# Altium PCB edison_gateway_v3.PcbDoc (part 1 of 3) (continued)
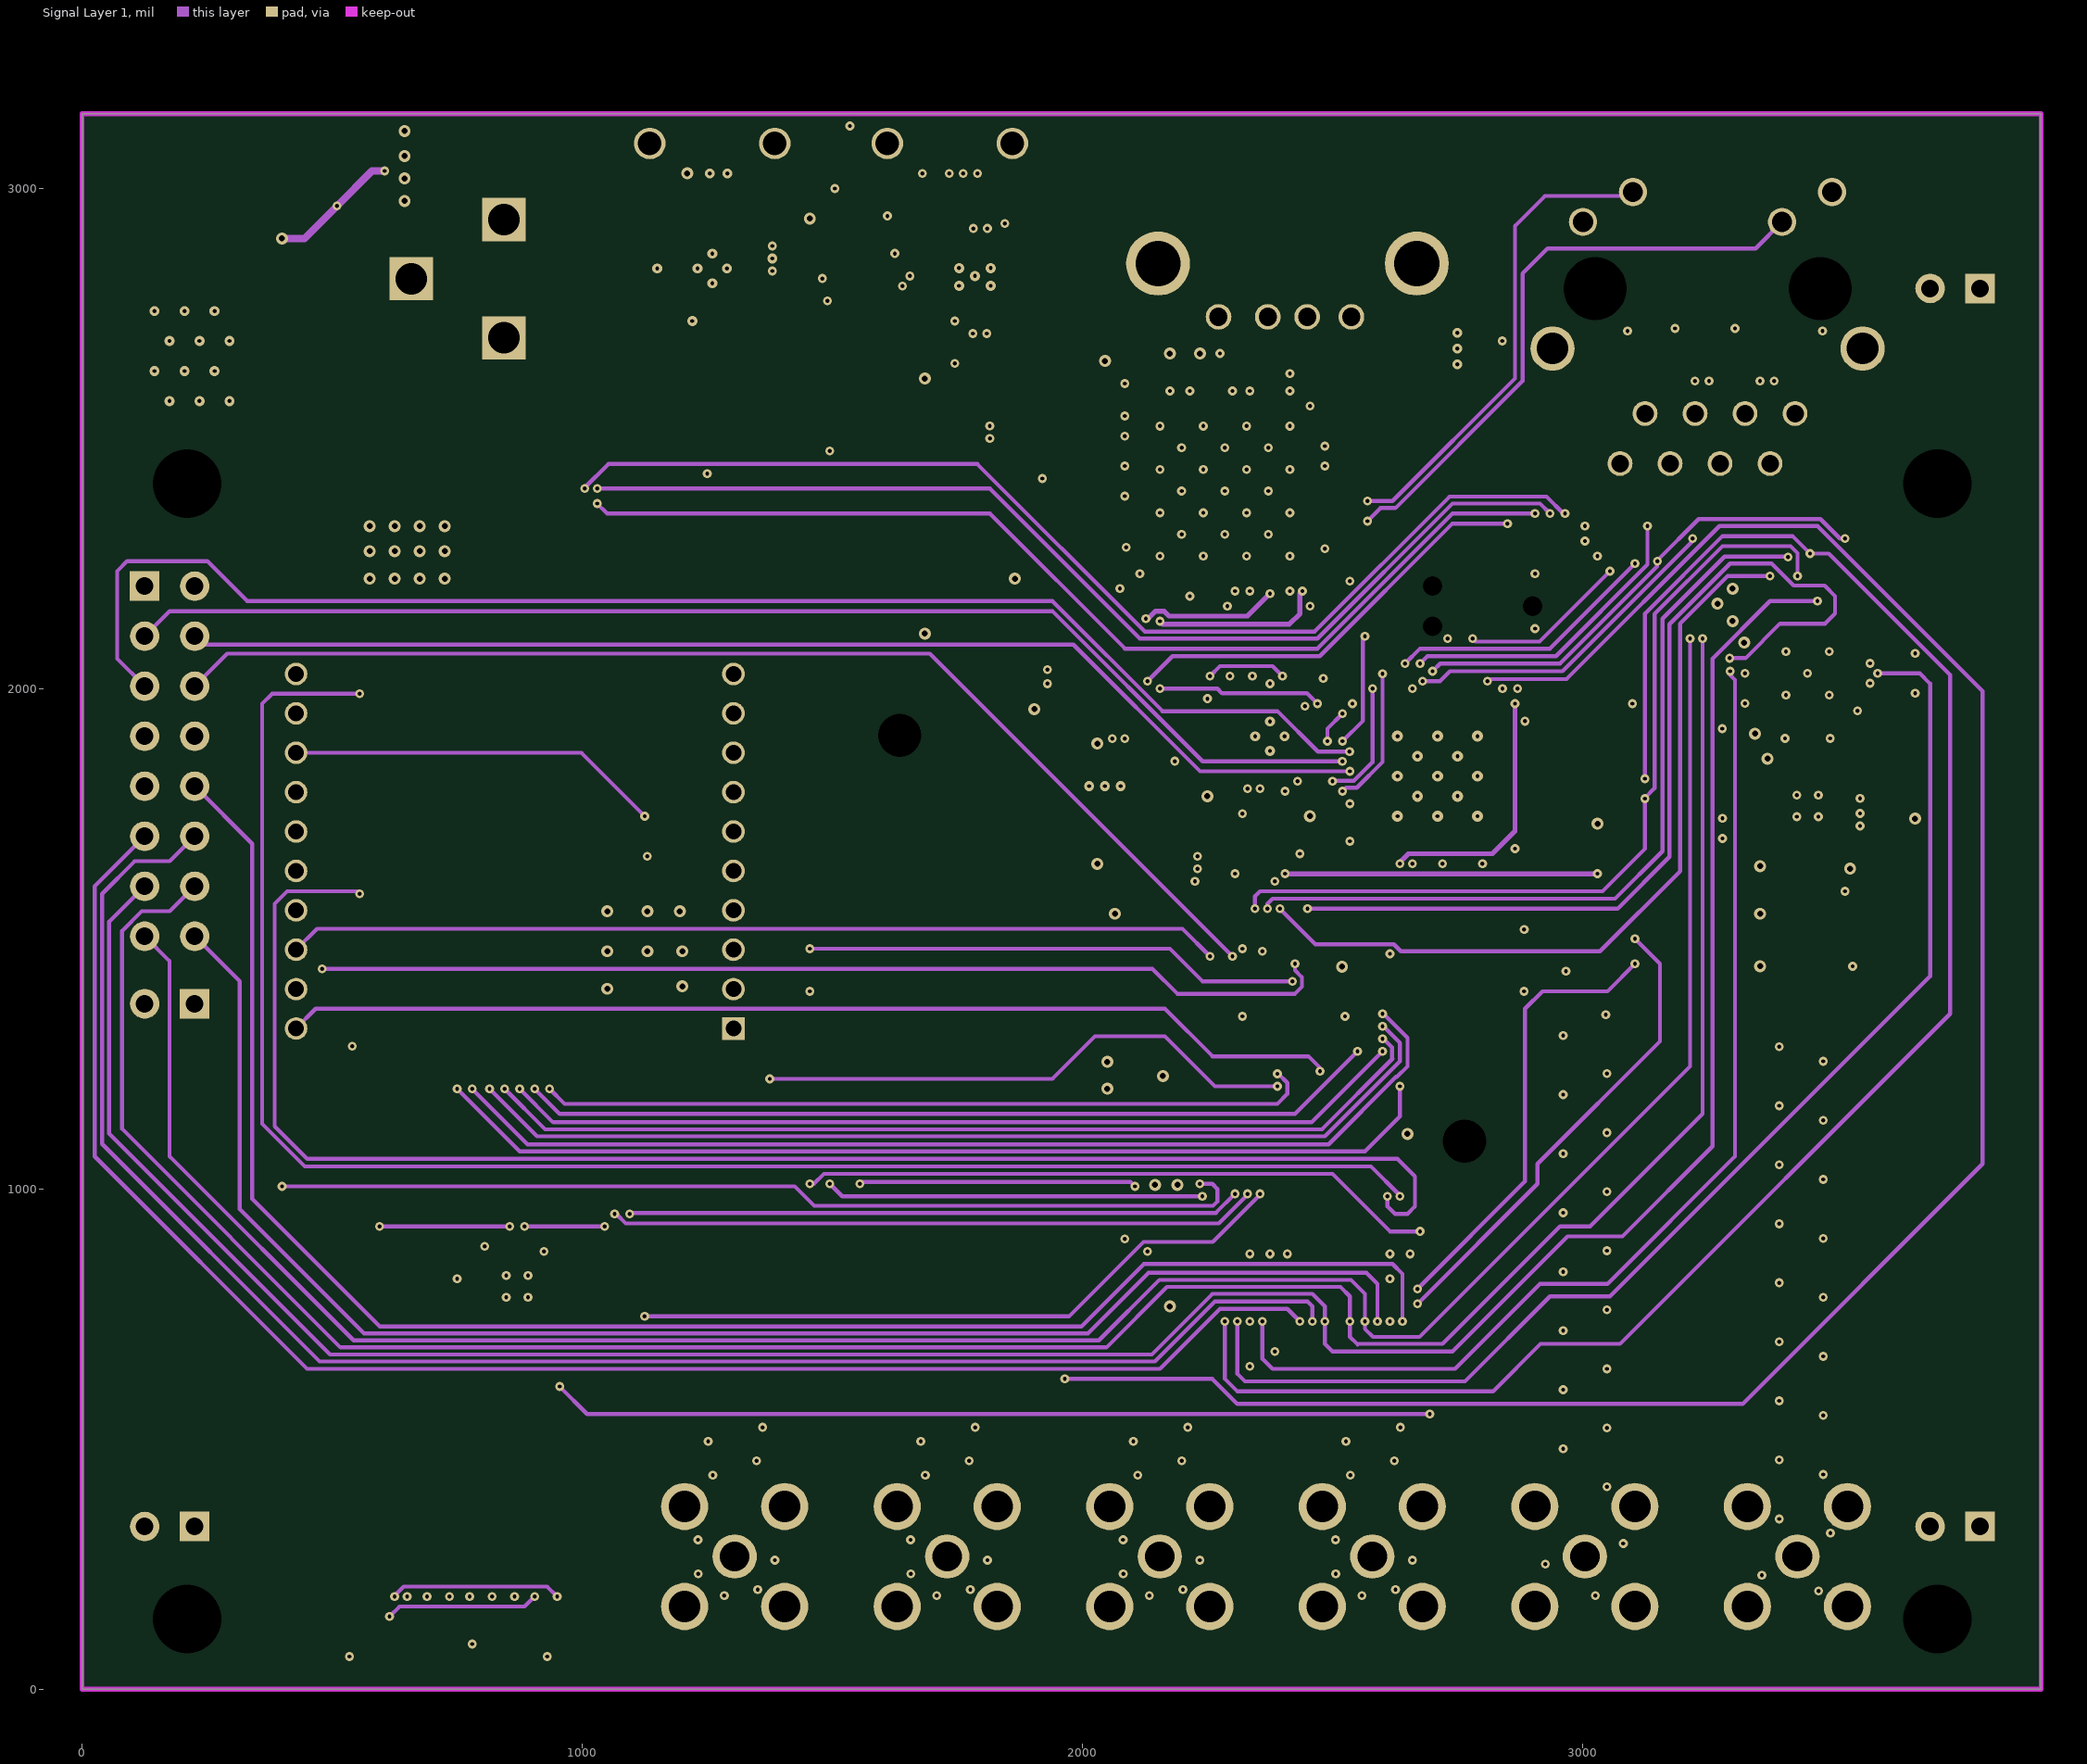
[diagram p3: Signal Layer 1]
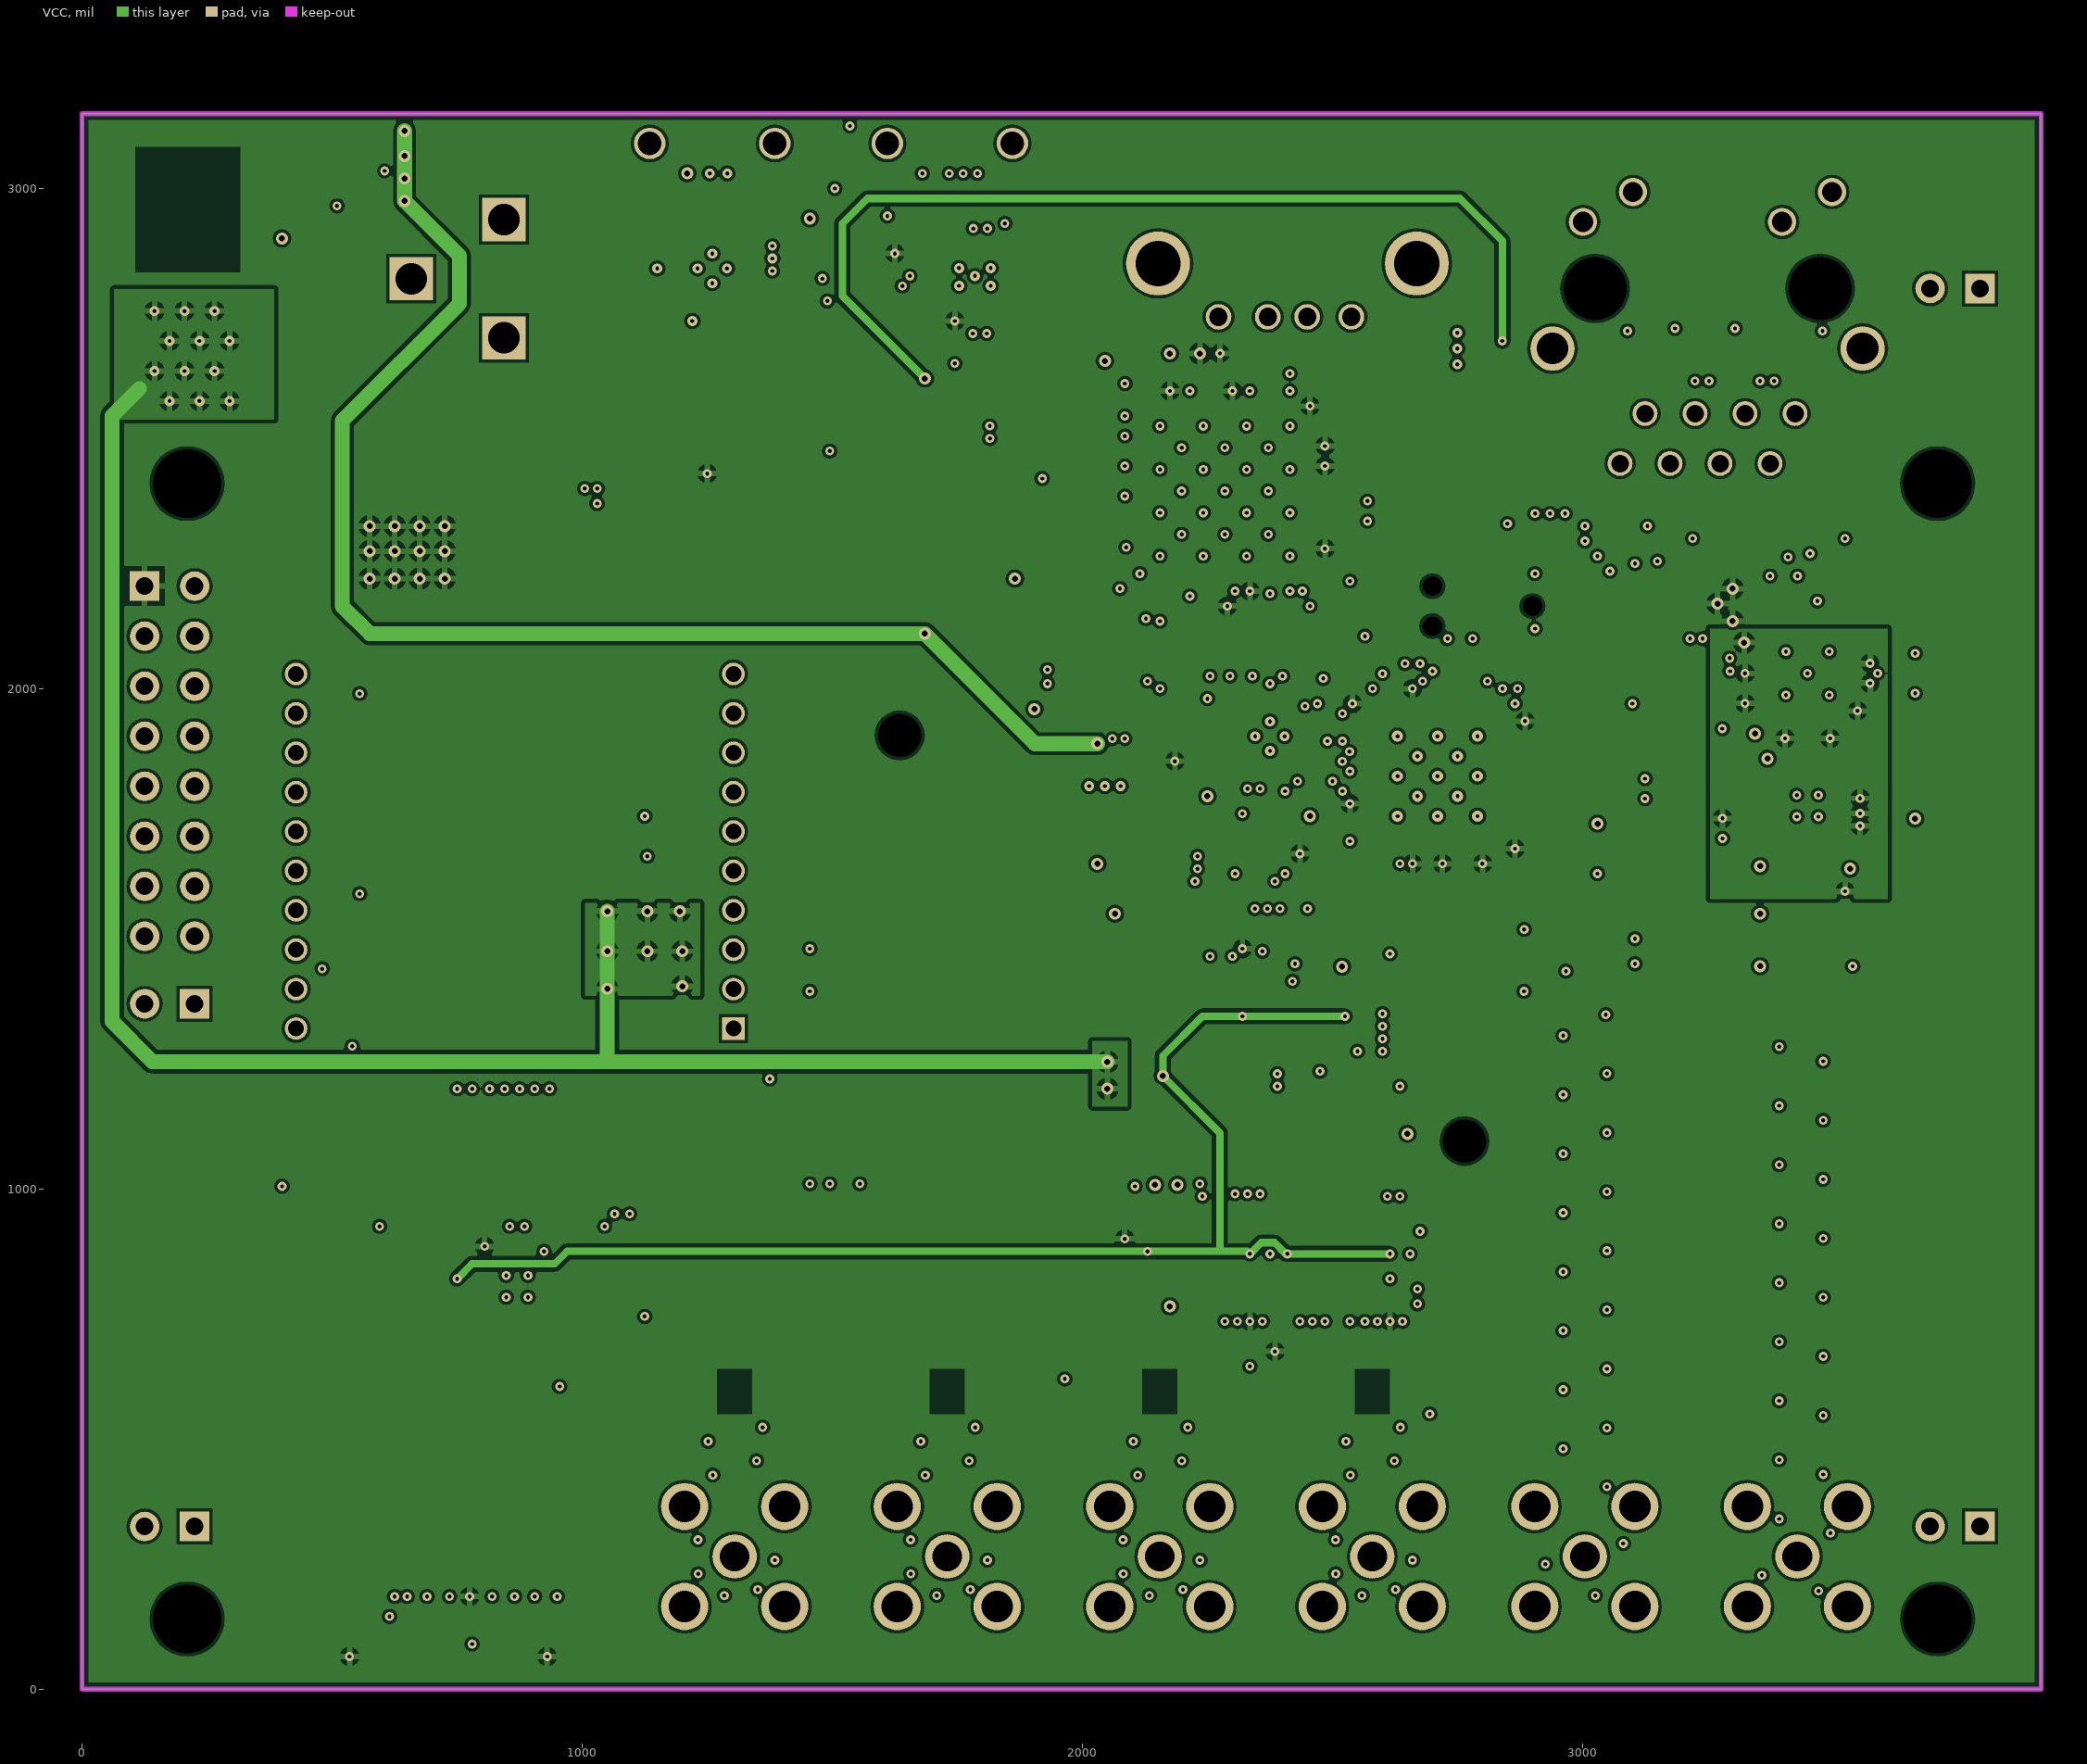
[diagram p4: VCC]
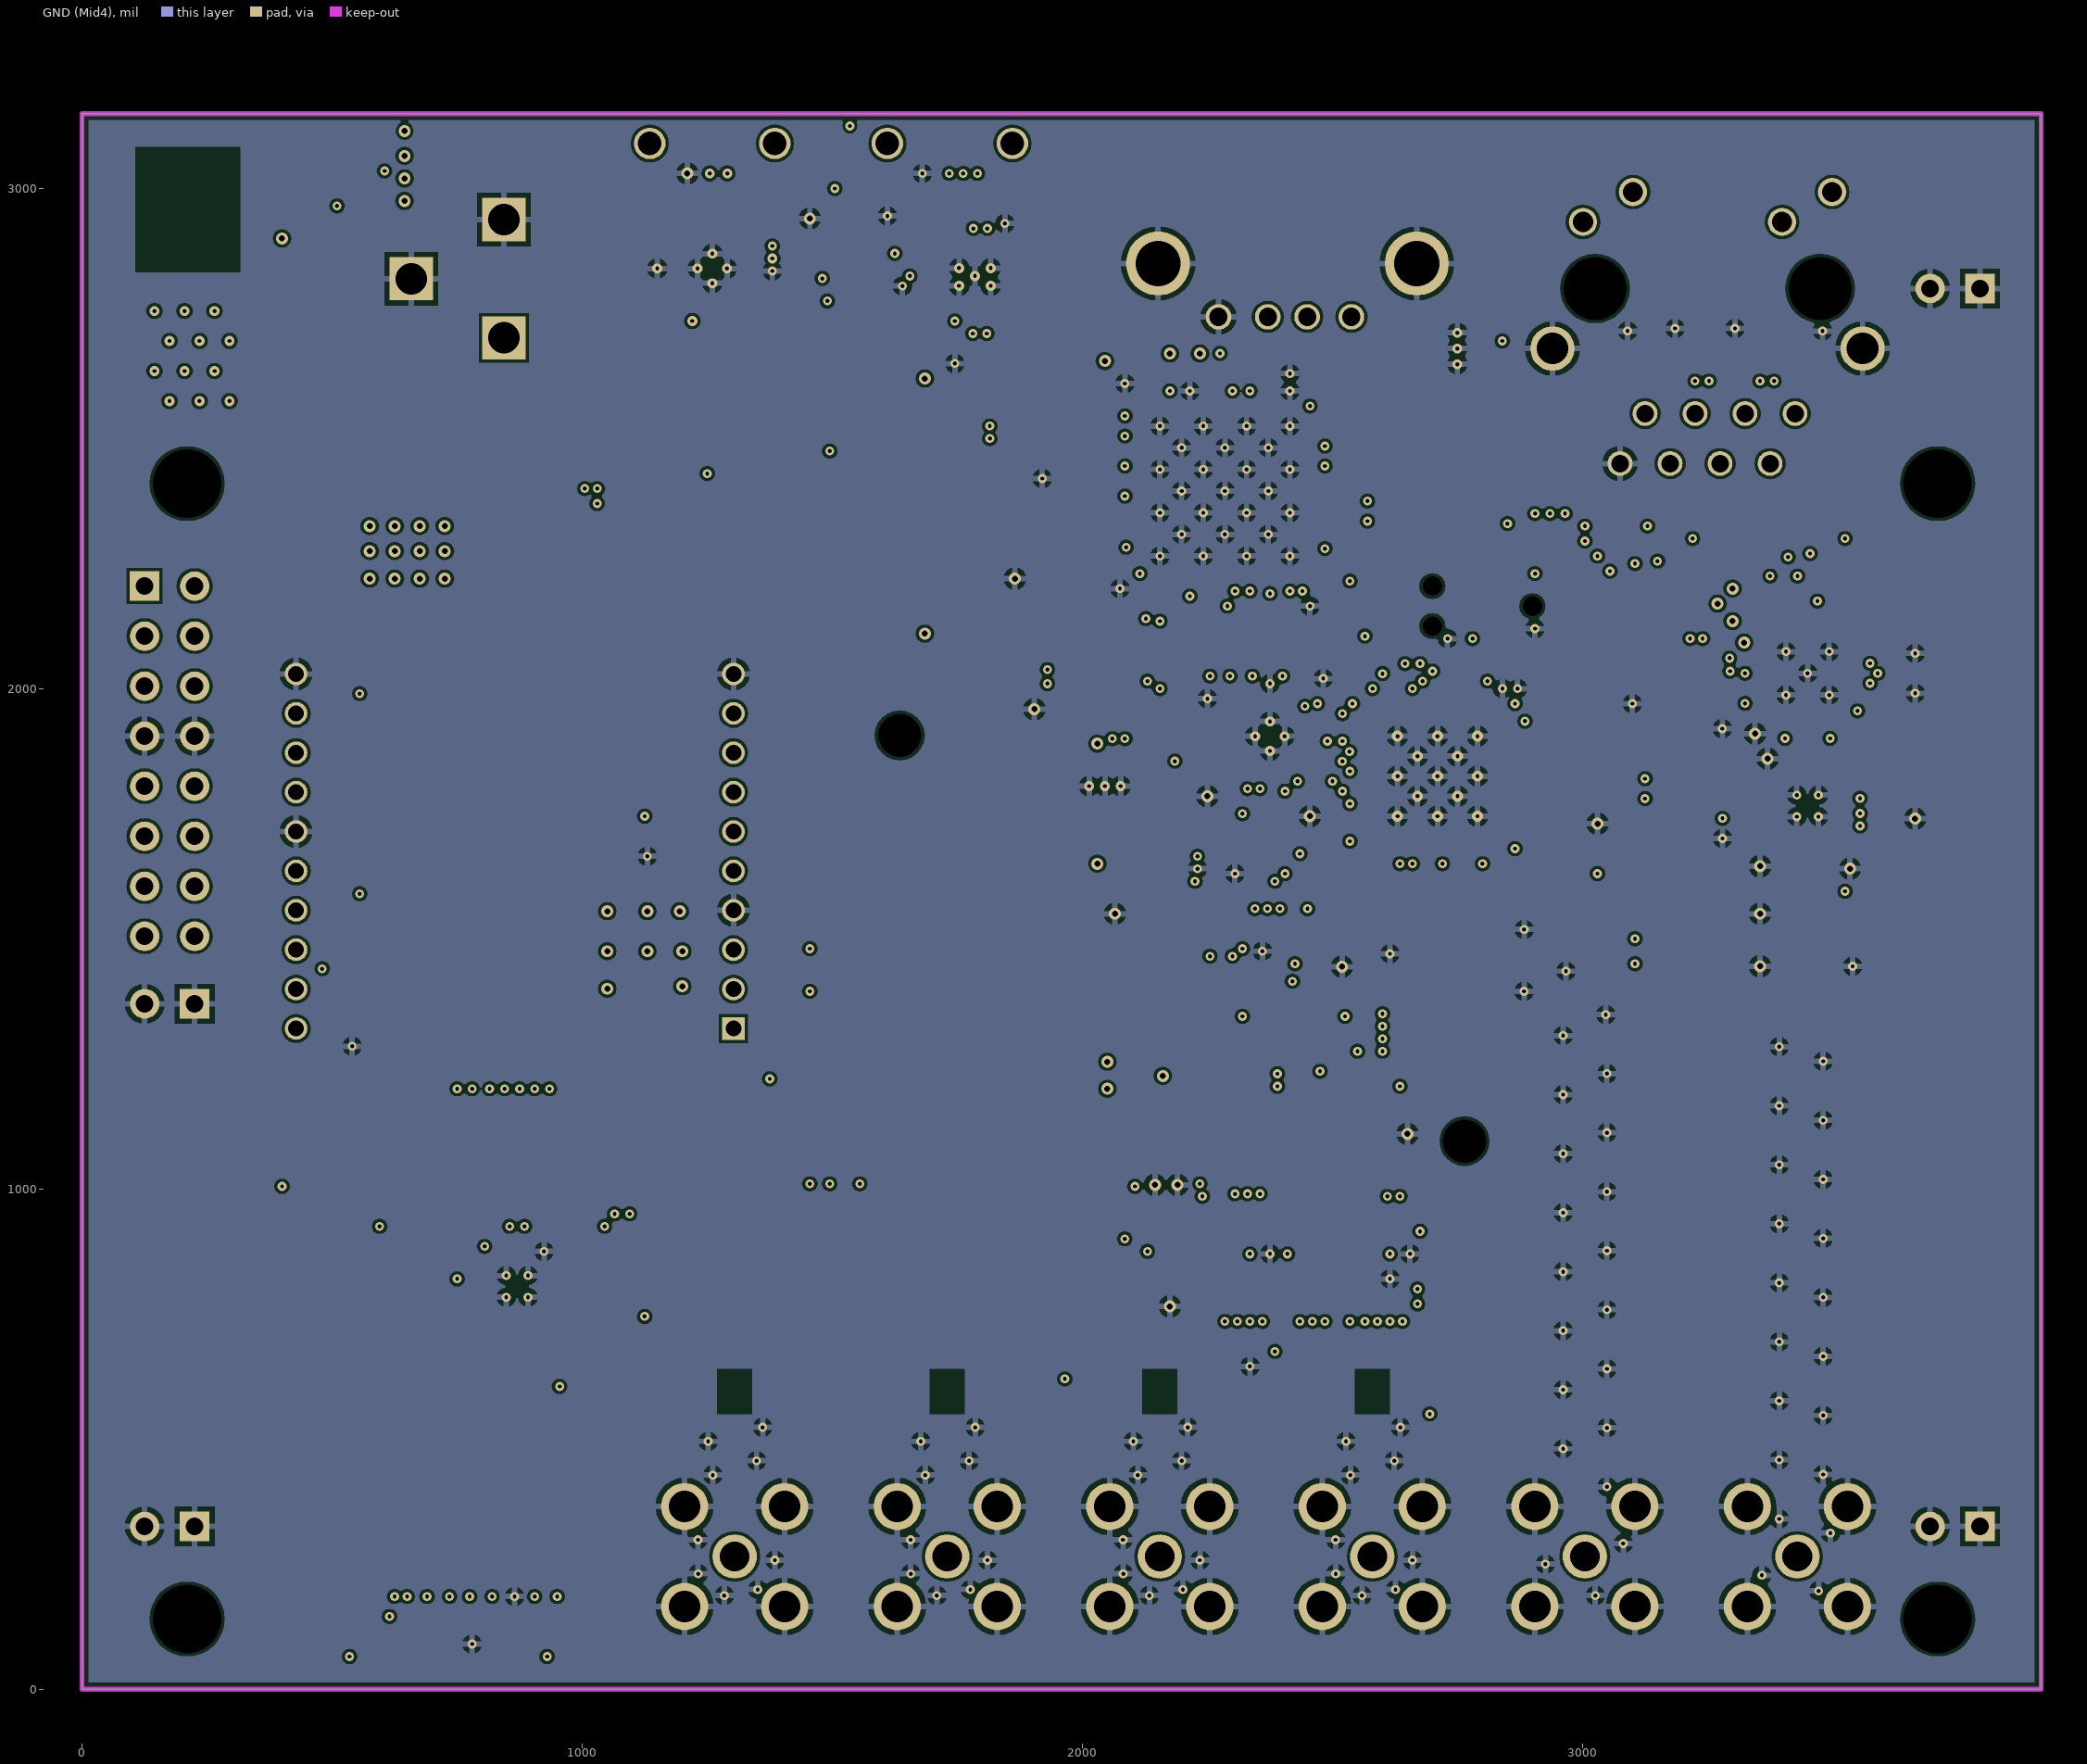
[diagram p5: GND (Mid4)]

## Layer stack, top to bottom
Top Solder: solder mask 0.4, Solder Resist, Dk 3.5
Top Layer: signal copper 1.4
Dielectric 1: core 10, FR-4, Dk 4.2
GND: signal copper 1.417
Dielectric 5: prepreg 5, Dk 4.2
Signal Layer 1: signal copper 1.417
Dielectric 3: prepreg 5, Dk 4.2
VCC: signal copper 1.417
Dielectric 2: core 10, Dk 4.2
GND (Mid4): signal copper 1.417
Dielectric 4: core 10, Dk 4.2
Bottom Layer: signal copper 1.4
Bottom Solder: solder mask 0.4, Solder Resist, Dk 3.5

## Board outline
0,0 0,3149.61 3917.32,3149.61 3917.32,0

## Design rules (kind name [scope] priority, off if disabled: settings)
Clearance "non plated holes" [InPadClass('NPHOLES')] p1: gap=10 // Sunstone Circuits Minimum Clearance Rule (MLB~4&6 Layer Designs)
Clearance "Clearance~Sunstone Circuits" [All] p2: gap=6 except(8: Track-Poly Poly-Poly) // Sunstone Circuits Minimum Clearance Rule (MLB~4&6 Layer Designs)
DiffPairsRouting [All] p1: maxlimit=10 minlimit=10 mostfreqgap=10 toplayer_minwidth=6 toplayer_maxwidth=15 toplayer_prefwidth=15 midlayer1_minwidth=6 midlayer1_maxwidth=15 midlayer1_prefwidth=15 midlayer2_minwidth=6 midlayer2_maxwidth=15 midlayer2_prefwidth=15 midlayer3_minwidth=15 midlayer3_maxwidth=15 midlayer3_prefwidth=15 midlayer4_minwidth=15 midlayer4_maxwidth=15 midlayer4_prefwidth=15 bottomlayer_minwidth=6 bottomlayer_maxwidth=15 bottomlayer_prefwidth=15 maxuncoupledlength=500
Height [All] p1 off: minheight=0 maxheight=1000 prefheight=500
HoleSize "HoleSize~Sunstone Circuits" [All] p1: absolutevalues=TRUE maxlimit=251 minlimit=8 maxpercent=80.000 minpercent=20.000 // Sunstone Circuits Hole Size Rule (MLB~4&6 Layer Designs)
HoleSize Testpoint [All] p2: absolutevalues=TRUE maxlimit=100 minlimit=1 maxpercent=80.000 minpercent=20.000
HoleSize TestPointUsage [All] p3: absolutevalues=TRUE maxlimit=100 minlimit=1 maxpercent=80.000 minpercent=20.000
MinimumAnnularRing "MinimumAnnularRing~Sunstone Circuits" [All] p1 off: minimumring=5 // Sunstone Circuits Minimum Annular Ring (MLB~4&6 Layer Designs)
MinimumSolderMaskSliver [All] p1 off: minsoldermaskwidth=10
PlaneClearance "PlaneClearance~Sunstone Circuits" [All] p1: clearance=12 // Sunstone Circuits Power Plane Clearance Rule (MLB~4&6 Layer Designs)
PlaneConnect "PlaneConnect~Sunstone Circuits" [All] p1: planeconnectstyle=Relief reliefexpansion=10 reliefentries=4 reliefconductorwidth=12 reliefairgap=10 // Sunstone Circuits Power Plane Connect Rule (MLB~4&6 Layer Designs)
PolygonConnect "PolygonConnect~Sunstone Circuits" [All] p1: connectstyle=Relief reliefconductorwidth=12 reliefentries=4 polygonreliefangle="90 Angle" airgapwidth=10 // Sunstone Circuits Polygon Connect Style (MLB~4&6 Layer Designs)
RoomDefinition U_antennas [InComponentClass('U_antennas')] p1: confinementstyle=ConfineIn formatcopy=TRUE lockcomponents=FALSE outline 1144.76,-367.05 1144.76,425.24 1213.5,425.24 1213.5,661.56 2671.5,661.56 2671.5,425.24 2740.24,425.24 2740.24,-367.05
RoomDefinition U_usb_uart [InComponentClass('U_usb_uart')] p2 off: confinementstyle=ConfineIn formatcopy=TRUE lockcomponents=FALSE outline 1070.65,2935.77 1070.65,3213.42 1449.98,3213.42 1449.98,2914.61 1491.57,2914.61 1491.57,2845.39 1472.8,2845.39 1472.8,2746.3 1375.63,2746.3 1375.63,2724.68 1127.28,2724.68 1127.28,2935.77
RoomDefinition U_usb_host_slave [InComponentClass('U_usb_host_slave')] p3 off: confinementstyle=ConfineIn formatcopy=TRUE lockcomponents=FALSE outline 1545.65,2935.77 1545.65,3213.42 2073.01,3213.42 2073.01,3266.04 2747.62,3266.04 2747.62,2795.12 2788.59,2795.12 2788.59,2787.48 2829.02,2787.48 2829.02,2721.26 2839.92,2721.26 2839.92,2608.74 2159.02,2608.74 2159.02,1652.52 2114.92,1652.52 2114.92,1623.74 1993.07,1623.74 1993.07,1623.35 1817.56,1623.35 1817.56,1683.74 1715.71,1683.74 1715.71,2628.18 1563.46,2628.18 1563.46,2935.77
RoomDefinition U_ethernet [InComponentClass('U_ethernet')] p4 off: confinementstyle=ConfineIn formatcopy=TRUE lockcomponents=FALSE outline 1886.61,2067.52 1886.61,2152.48 1895.23,2152.48 1895.23,2303.87 2026.61,2303.87 2026.61,2582.48 2073.54,2582.48 2073.54,2606.77 2246.61,2606.77 2246.61,2677.48 2882.98,2677.48 2882.98,3239.8 3617.65,3239.8 3617.65,2359.8 2577.82,2359.8 2577.82,2226.3 2497.09,2226.3 2497.09,2164.53 2457.8,2164.53 2457.8,2136.3 2044.02,2136.3 2044.02,2067.52
RoomDefinition U_edison_gpio [InComponentClass('U_edison_gpio')] p5 off: confinementstyle=ConfineIn formatcopy=TRUE lockcomponents=FALSE outline 62.82,1442.5 62.82,2267.5 287.82,2267.5 287.82,1573.54 2561.06,1573.54 2561.06,1437.48 2629.02,1437.48 2629.02,968.54 2690.83,968.54 2690.83,642.72 2691.5,642.72 2691.5,187.48 2744.02,187.48 2744.02,102.52 2691.5,102.52 2691.5,-32.38 1082.72,-32.38 1082.72,-160.36 332.91,-160.36 332.91,51.3 317.83,51.3 317.83,1442.5
RoomDefinition U_cellular_modem [InComponentClass('U_cellular_modem')] p6 off: confinementstyle=ConfineIn formatcopy=TRUE lockcomponents=FALSE outline 279.45,980.87 279.45,2349.45 1162.82,2349.45 1162.82,2458.7 1252.8,2458.7 1252.8,2349.45 1451.18,2349.45 1451.18,1741.26 1474.92,1741.26 1474.92,1628.74 1457.8,1628.74 1457.8,1371.3 1451.18,1371.3 1451.18,980.87
RoomDefinition U_cc2538 [InComponentClass('U_cc2538')] p7 off: confinementstyle=ConfineIn formatcopy=TRUE lockcomponents=FALSE outline 728.74,-55.34 728.74,66.38 816.61,66.38 816.61,187.48 2101.61,187.48 2101.61,1812.48 2146.72,1812.48 2146.72,1840.71 2162.83,1840.71 2162.83,1858.7 2192.83,1858.7 2192.83,1983.7 2260,1983.7 2260,2038.03 2666.3,2038.03 2666.3,2239.96 2934.33,2239.96 2934.33,1759.37 2952.87,1759.37 2952.87,1758.7 3017.8,1758.7 3017.8,375.24 3169.92,375.24 3169.92,-417.05 2845.07,-417.05 2845.07,-55.34
RoomDefinition U_cc2520_cc2592 [InComponentClass('U_cc2520_cc2592')] p8 off: confinementstyle=ConfineIn formatcopy=TRUE lockcomponents=FALSE outline 3116.61,1878.15 3116.61,1963.11 3160.23,1963.11 3160.23,1998.91 3217.83,1998.91 3217.83,2039.33 3274.06,2039.33 3274.06,2204.61 3386.57,2204.61 3386.57,2183.35 3584.33,2183.35 3584.33,2099.33 3667.8,2099.33 3667.8,1961.93 3637.8,1961.93 3637.8,1671.93 3590.56,1671.93 3590.56,-367.05 3270.07,-367.05 3270.07,1878.15
RoomDefinition U_edison_misc [InComponentClass('U_edison_misc')] p9 off: confinementstyle=ConfineIn formatcopy=TRUE lockcomponents=FALSE outline 1457.83,876.3 1457.83,933.7 1602.83,933.7 1602.83,2043.7 2732.83,2043.7 2817.8,2043.7 2817.8,1986.3 1690.68,1986.3 1690.68,744.51 1459.95,744.51 1459.95,876.3
RoomDefinition U_power [InComponentClass('U_power')] p10 off: confinementstyle=ConfineIn formatcopy=TRUE lockcomponents=FALSE outline 62.82,262.5 62.82,1332.5 92.24,1332.5 92.24,2901.38 417.76,2901.38 417.76,3192.55 602.08,3192.55 602.08,3240 1027.72,3240 1027.72,2862.5 3857.82,2862.5 3857.82,262.5
RoutingVias "RoutingVias~Sunstone Circuits" [All] p1: holewidth=16 width=30 viastyle="Through Hole" minholewidth=6 minwidth=18 maxholewidth=20 maxwidth=40 // Sunstone Circuits Routing Vias Rule (MLB~4&6 Layer Designs)
ShortCircuit "ShortCircuit~Sunstone Circuits" [All] p1: allowed=FALSE // Sunstone Circuits Short Circuit Rule~Do Not Allow (MLB~4&6 Layer Designs)
SilkToSilkClearance [All] p1 off: silktosilkclearance=10
SilkToSolderMaskClearance [IsPad] p1 off: minsilkscreentomaskgap=10 clearancetoexposedcopper=TRUE
SolderMaskExpansion TentVias [isVia] p1: expansion=-20 // Sunstone Circuits Solder Mask Expansion Rule (MLB~4&6 Layer Designs)